# Altium PCB PCB1.PcbDoc (part 1 of 2) (continued)
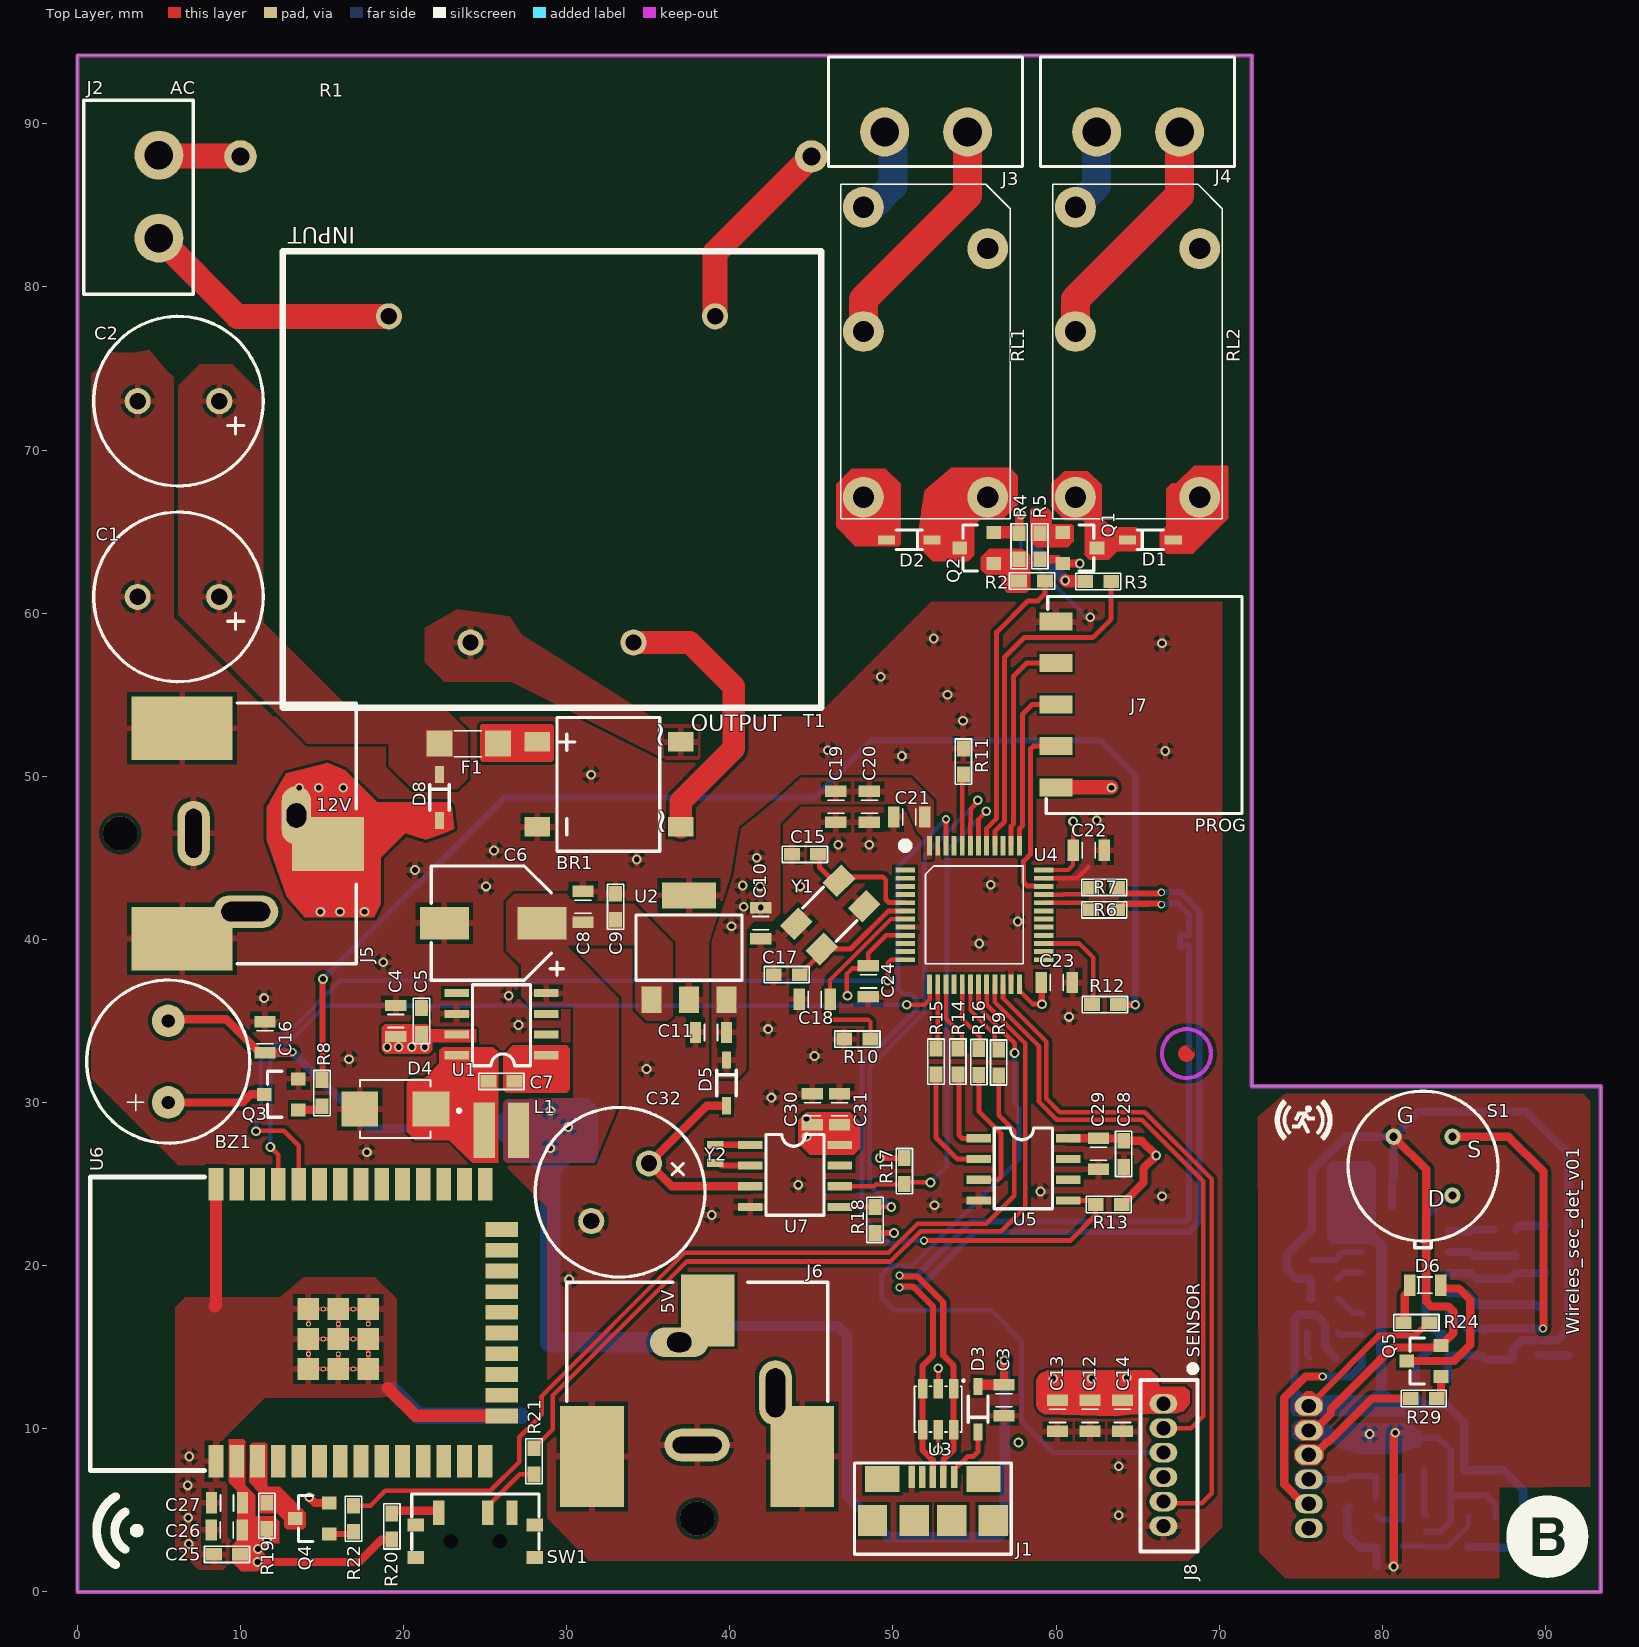
[diagram p0: Top Layer view]
## Part data (continued)
R17 R18: library part "RES 4K7 OHM 0603", "SMD Chip Resistor, 4.7 kOhm, ï¿½ 1%, 100 mW, 0603 [1608 Metric], Thick Film, General Purpose", Case Code (Metric)=1608, Case Code (Imperial)=0603, Manufacturer=Yageo, Max Operating Temperature=155°C, Max Power Dissipation=100mW, Min Operating Temperature=-55°C, Resistance=4.7kR, Resistance Tolerance=1%, Resistor Type="Thick Film", Supplier Part Number 1=5489695, Temperature Coefficient=100ppm/°C, Voltage Rating=50V, Case/Package=0603, Category="Chip SMD Resistors", ComponentLink1Description=https://datasheet.ciiva.com/15189/getdatasheetpartid-422754-15189760.pdf?src-supplier=Verical, ComponentLink1URL=https://datasheet.ciiva.com/15189/getdatasheetpartid-422754-15189760.pdf?src-supplier=Verical, ComponentLink2Description=https://datasheet.ciiva.com/7660/38590-7660794.pdf?src-supplier=Element14, ComponentLink2URL=https://datasheet.ciiva.com/7660/38590-7660794.pdf?src-supplier=Element14, ComponentLink3Description=https://datasheet.ciiva.com/22747/443971-22747528.pdf?src-supplier=Element14, ComponentLink3URL=https://datasheet.ciiva.com/22747/443971-22747528.pdf?src-supplier=Element14, ComponentLink4Description=https://datasheet.ciiva.com/7746/1868787-7746365.pdf?src-supplier=Element14, ComponentLink4URL=https://datasheet.ciiva.com/7746/1868787-7746365.pdf?src-supplier=Element14, ComponentLink5Description=https://datasheet.ciiva.com/7746/1738695-7746366.pdf?src-supplier=Element14, ComponentLink5URL=https://datasheet.ciiva.com/7746/1738695-7746366.pdf?src-supplier=Element14, ComponentLink6Description=https://datasheet.ciiva.com/46440/1868787-46440909.pdf?src-supplier=Element14, ComponentLink6URL=https://datasheet.ciiva.com/46440/1868787-46440909.pdf?src-supplier=Element14, Construction=Rectangular, Depth=0.8mm, Designed by=berkay, Features="Moisture Resistant", Lead Free=5697LeadFree, Lead Pitch=0.3mm, Length=1.6mm, Manufacturer Part Number=RC0603FR-074K7L, Military Standard=Not, Number of Pins=2, Number of Terminations=2, Packaging="Tape and Reel", Power Rating=100mW, Pricing 1="5000=0,0011, 20000=0,001, 75000=0,001, 150000=0,0009, 375000=0,0009 (USD)", Reach SVHC Compliant=Unknown, RoHS=Yes, RoHS Compliant=Yes, Series=RC, Size Code=0603, Stock 1=12255000, Supplier 1="Future Electronics", Termination=SMD/SMT, Tolerance=1%, Voltage Rating (DC)=50V, Width=0.8mm
R23 R34 R36: library part "RES 220K OHM 0603", "SMD Chip Resistor, 220 kOhm, ï¿½ 5%, 100 mW, 0603 [1608 Metric], Thick Film, General Purpose", Case/Package=0603, Manufacturer=Yageo, Resistance=220kR, Supplier Part Number 1=3404332, Voltage Rating (AC)=50V, Category="Chip SMD Resistors", ComponentLink1Description=https://datasheet.ciiva.com/2452/pyu-r-int-thick-7-2452923.pdf?src-supplier=Digikey, ComponentLink1URL=https://datasheet.ciiva.com/2452/pyu-r-int-thick-7-2452923.pdf?src-supplier=Digikey, ComponentLink2Description=https://datasheet.ciiva.com/2452/pyu-r-int-thick-7-2452924.pdf?src-supplier=Digikey, ComponentLink2URL=https://datasheet.ciiva.com/2452/pyu-r-int-thick-7-2452924.pdf?src-supplier=Digikey, ComponentLink3Description=https://datasheet.ciiva.com/2452/pyu-r-int-thick-7-2452925.pdf?src-supplier=Digikey, ComponentLink3URL=https://datasheet.ciiva.com/2452/pyu-r-int-thick-7-2452925.pdf?src-supplier=Digikey, Designed by=berkay, Lead Free=5697LeadFree, Manufacturer Part Number=RC0603JR-07220KL, Pricing 1="5000=0,0008, 50000=0,0008, 200000=0,0007, 625000=0,0007, 2000000=0,0007 (USD)", RoHS=Yes, Stock 1=25000, Supplier 1="Future Electronics"
R25 R28: library part "RES 560k OHM 0603", "SMD Chip Resistor, 560 kOhm, ï¿½ 5%, 100 mW, 0603 [1608 Metric], Thick Film, General Purpose", Case Code (Metric)=1608, Case Code (Imperial)=0603, Manufacturer=Yageo, Max Operating Temperature=155°C, Max Power Dissipation=100mW, Min Operating Temperature=-55°C, Package Quantity=1, Resistance=560kR, Resistance Tolerance=5%, Resistor Type="Thick Film", Supplier Part Number 1=1495647, Temperature Coefficient=100ppm/°C, Voltage Rating=75V, Voltage Rating (AC)=50V, Case/Package=0603, Category="Chip SMD Resistors", ComponentLink1Description=https://datasheet.ciiva.com/2453/pyu-r-int-thick-7-2453056.pdf?src-supplier=Digikey, ComponentLink1URL=https://datasheet.ciiva.com/2453/pyu-r-int-thick-7-2453056.pdf?src-supplier=Digikey, ComponentLink2Description=https://datasheet.ciiva.com/2453/pyu-r-int-thick-7-2453057.pdf?src-supplier=Digikey, ComponentLink2URL=https://datasheet.ciiva.com/2453/pyu-r-int-thick-7-2453057.pdf?src-supplier=Digikey, ComponentLink3Description=https://datasheet.ciiva.com/2453/pyu-r-int-thick-7-2453055.pdf?src-supplier=Digikey, ComponentLink3URL=https://datasheet.ciiva.com/2453/pyu-r-int-thick-7-2453055.pdf?src-supplier=Digikey, Designed by=berkay, Features="Moisture Resistant", Height=0.022inch, Lead Free=5697LeadFree, Length=0.063inch, Manufacturer Part Number=RC0603JR-07560KL, Number of Pins=2, Number of Terminations=2, Packaging="Tape and Reel", Power Rating=100mW, Pricing 1="5000=0,0009, 50000=0,0009, 150000=0,0009, 375000=0,0008, 1000000=0,0008 (USD)", Reach SVHC Compliant=Unknown, RoHS=Yes, RoHS Compliant=Yes, Series=RC, Stock 1=35000, Supplier 1="Future Electronics", Technology="THICK FILM", Termination=SMD/SMT, Tolerance=5%, Voltage Rating (DC)=50V, Weight=7.1E-05oz, Width=0.8mm, Working Voltage=75V
R30 R31: library part "RES 0 OHM 0603", "GENERAL PURPOSE CHIP RESISTOR Metal Glaze/thick Film, 0.1W, 0ohm, Surface Mount, 0603", Case Code (Metric)=1608, Case Code (Imperial)=0603, Manufacturer=Yageo, Max Operating Temperature=155°C, Max Power Dissipation=100mW, Min Operating Temperature=-55°C, Package Quantity=5000, Resistance=0R, Resistance Tolerance=5%, Resistor Type="Thick Film", Supplier Part Number 1=311-0.0GRCT-ND, Temperature Coefficient=200ppm/°C, Tolerance=1%, Voltage Rating=50V, Case/Package=0603, Category="Chip SMD Resistors", Construction=Rectangular, Contact Plating=Tin,Matte, Depth=0.8mm, Designed by=berkay, Features="Moisture Resistant", Height=0.45mm, Lead Free=5697LeadFree, Length=1.6mm, Manufacturer Part Number=RC0603JR-070RL, Military Standard=Not, Number of Pins=2, Number of Terminations=2, Packaging="Tape and Reel", Power Rating=100mW, Pricing 1="1=0,1, 10=0,004, 5000=0,00408, 10000=0,00185, 15000=0,00156, 25000=0,00138, 35000=0,00133 (USD)", Reach SVHC Compliant=Unknown, RoHS=Yes, RoHS Compliant=Yes, Series=RC, Size Code=0603, Stock 1=2054352, Supplier 1=Digikey, Technology="THICK FILM", Termination=SMD/SMT, Voltage Rating (DC)=50V, Width=0.8mm
R32: library part "RES 43K OHM 0603", "SMD Chip Resistor, 43 kOhm, ï¿½ 1%, 100 mW, 0603 [1608 Metric], Thick Film, General Purpose", Manufacturer=Yageo, Resistance=43kR, Supplier Part Number 1=7699101, Voltage Rating (DC)=50V, Category="Chip SMD Resistors", ComponentLink1Description=https://datasheet.ciiva.com/2454/pyu-r-int-thick-7-2454879.pdf?src-supplier=Digikey, ComponentLink1URL=https://datasheet.ciiva.com/2454/pyu-r-int-thick-7-2454879.pdf?src-supplier=Digikey, ComponentLink2Description=https://datasheet.ciiva.com/2454/pyu-r-int-thick-7-2454880.pdf?src-supplier=Digikey, ComponentLink2URL=https://datasheet.ciiva.com/2454/pyu-r-int-thick-7-2454880.pdf?src-supplier=Digikey, ComponentLink3Description=https://datasheet.ciiva.com/2454/pyu-r-int-thick-7-2454881.pdf?src-supplier=Digikey, ComponentLink3URL=https://datasheet.ciiva.com/2454/pyu-r-int-thick-7-2454881.pdf?src-supplier=Digikey, ComponentLink4Description=https://datasheet.ciiva.com/12558/rc0603-272842-12558507.pdf?src-supplier=Mouser, ComponentLink4URL=https://datasheet.ciiva.com/12558/rc0603-272842-12558507.pdf?src-supplier=Mouser, Designed by=berkay, Lead Free=5697LeadFree, Manufacturer Part Number=RC0603FR-0743KL, Pricing 1="5000=0,0011, 25000=0,0011, 125000=0,001, 250000=0,001, 750000=0,001 (USD)", RoHS=Yes, Stock 1=30000, Supplier 1="Future Electronics"
RL1 RL2: "Electromechanical Relay 12VDC 360Ohm 10(NO)/3(NC)A SPDT (( 20mm 10mm 16mm)) THT Power Relay", Manufacturer=Panasonic, Supplier Part Number 1=255-3562-ND, Case/Package=ALQ112, Category="Power Relays", ComponentLink1Description=https://datasheet.ciiva.com/24388/307ds-61b20-en-lq-24388909.pdf?src-supplier=Onlinecomponents.com, ComponentLink1URL=https://datasheet.ciiva.com/24388/307ds-61b20-en-lq-24388909.pdf?src-supplier=Onlinecomponents.com, Designed by=berkay, Manufacturer Part Number=ALQ112, Pricing 1="1=1,45, 10=1,267, 25=1,2004, 50=1,1528, 100=1,1067, 300=1,03757, 500=1,0069, 1000=0,96674, 5000=0,87955 (USD)", RoHS=Yes, Stock 1=9958, Supplier 1=Digikey
RT1: "Thermistor PTC 10K Ohm 1% 2-Pin 1206", Case Code (Imperial)=1206, Manufacturer="Vishay Dale", Max Operating Temperature=125°C, Max Power Dissipation=125mW, Min Operating Temperature=-55°C, Package Quantity=5000, Resistance=10kR, Resistance Tolerance=1%, Supplier Part Number 1=541-3533-1-ND, Voltage=40V, Case/Package=1206, Category="Linear ICs", ComponentLink1Description=https://datasheet.ciiva.com/2852/tfpt-2852076.pdf?src-supplier=Digikey, ComponentLink1URL=https://datasheet.ciiva.com/2852/tfpt-2852076.pdf?src-supplier=Digikey, Designed by=berkay, Height=0.55mm, Lead Free="Lead Free", Length=3.2mm, Manufacturer Part Number=TFPT1206L1002FM, Mount="Surface Mount", Packaging="Tape and Reel", Power Rating=125mW, Pricing 1="1=0,91, 5=0,776, 10=0,727, 25=0,6708, 50=0,6336, 100=0,6003, 500=0,5357, 1000=0,51262 (USD)", RoHS=Yes, RoHS Compliant=Yes, Series=TFPT, Stock 1=6990, Supplier 1=Digikey, Termination=SMD/SMT, Tolerance=1%, Width=1.6mm
S1: "Sensor PIR (Passive Infrared) TO-205AA, TO-5-3 Metal Can", Case/Package="LHI 878", Manufacturer="Excelitas Technology", Max Supply Voltage=12, Min Supply Voltage=2, Supplier Part Number 1=61T6571, Category="Linear ICs", Designed by=berkay, Manufacturer Part Number="LHI 878/3902", Supplier 1=Newark
SW1: "Slide Switch, SPDT, ON-ON, 25 mA, 24V DC, Surf. Mt., RA, Gull Wing", Contact Current Rating=25mA, Manufacturer=E-Switch, Max Operating Temperature=70°C, Min Operating Temperature=-20°C, Operating Force=150gf, Supplier Part Number 1=EG5720CT-ND, Voltage Rating (DC)=24V, Actuator Length=1.4mm, Actuator Type=Standard, Category=LDO, ComponentLink1Description=https://media.digikey.com/pdf/Data%20Sheets/E-Switch%20PDFs/EG1215_Series_Ds.pdf?src-supplier=Digikey, ComponentLink1URL=https://media.digikey.com/pdf/Data%20Sheets/E-Switch%20PDFs/EG1215_Series_Ds.pdf?src-supplier=Digikey, ComponentLink2Description=http://www.farnell.com/datasheets/2645007.pdf?src-supplier=Farnell, ComponentLink2URL=http://www.farnell.com/datasheets/2645007.pdf?src-supplier=Farnell, Contact Material=151ConductorMaterial, Designed by=berkay, Electrical Life=10000Cycles, Manufacturer Part Number=EG1215AA, Mechanical Life=10000Cycles, Mount="Surface Mount", Number of Positions=2NUMBER, Packaging="Cut Tape", Pricing 1="1=1,18, 10=0,963, 25=0,8868, 100=0,7809, 250=0,71708, 500=0,67178, 1000=0,62888 (USD)", RoHS=Yes, RoHS Compliant=Yes, Series=EG, Stock 1=611, Supplier 1=Digikey, Switch Function=On-On, Switch Travel=1.5mm, Termination="Gull Wing", Throw Configuration=SPDT
T1: "230-12 Transformer 1VA", Manufacturer="Zettler Magnetics", Operating Frequency=50-60Hz, Primary Voltage=230V, Rated Power=1VA, Secondary Voltage=12V, Designed by=berkay, Manufacturer Part Number=BV302S12010-ZU, RoHS=No, Supplier 1=Digi-Key
U1: "Buck Switching Regulator IC Positive Fixed 12V 1 Output 1A 8-SOIC (0.154\", 3.90mm Width)", Case/Package="SOIC N", Manufacturer="TI National Semiconductor", Max Operating Temperature=125°C, Max Output Current=1A, Max Input Voltage=40V, Min Operating Temperature=-40°C, Min Input Voltage=8V, Output Voltage=12V, Package Quantity=2500, Quiescent Current=2.5mA, Supplier Part Number 1=296-35410-1-ND, Switching Frequency=260kHz, Category="Voltage Regulators - Switching", ComponentLink1Description=https://datasheet.ciiva.com/41457/001013881-da-01-en-ic-reg-buck-lm2675mx-12-nopb-soic-8-tid-41457896.pdf?src-supplier=Conrad, ComponentLink1URL=https://datasheet.ciiva.com/41457/001013881-da-01-en-ic-reg-buck-lm2675mx-12-nopb-soic-8-tid-41457896.pdf?src-supplier=Conrad, ComponentLink2Description=https://datasheet.ciiva.com/3220/lm2675-3220840.pdf?src-supplier=Avnet, ComponentLink2URL=https://datasheet.ciiva.com/3220/lm2675-3220840.pdf?src-supplier=Avnet, Designed by=berkay, Efficiency=94%, Lead Free="Lead Free", Manufacturer Part Number=LM2675MX-12/NOPB, Mount="Surface Mount", Number of Outputs=1, Number of Pins=8, Operating Supply Voltage=40V, Output Current=1A, Output Type=Fixed, Packaging="Tape and Reel", Pricing 1="1=4,36, 10=3,31, 25=3,046, 100=2,7561, 250=2,61788, 500=2,53454, 1000=2,46595, 2500=2,39355 (USD)", Radiation Hardening=No, RoHS=Yes, RoHS Compliant=Yes, Series=LM2675, Stock 1=2394, Supplier 1=Digikey
U2: "AP7361 Series 3.3 V 1 A Low SMT Dropout Fixed-Mode Regulator - SOT-223", Case/Package=SOT-223, Dropout Voltage=500mV, Manufacturer=Diodes, Max Operating Temperature=85°C, Max Output Current=1A, Max Power Dissipation=1.1W, Max Input Voltage=6V, Min Current Limit=1.1A, Min Operating Temperature=-40°C, Min Input Voltage=2.2V, Output Voltage=3.3V, Package Quantity=1, Power Dissipation=1.1kW, Power Supply Rejection Ratio (PSRR)=65dB, Quiescent Current=70uA, Reference Voltage=800mV, Supplier Part Number 1=AP7361-33E-13DICT-ND, Accuracy=1%, Category="Voltage Regulators - Linear", ComponentLink1Description=https://datasheet.ciiva.com/26926/getdatasheetpartid-670786-26926141.pdf?src-supplier=Verical, ComponentLink1URL=https://datasheet.ciiva.com/26926/getdatasheetpartid-670786-26926141.pdf?src-supplier=Verical, ComponentLink2Description=https://datasheet.ciiva.com/29568/ap7361-29568378.pdf?src-supplier=Digikey, ComponentLink2URL=https://datasheet.ciiva.com/29568/ap7361-29568378.pdf?src-supplier=Digikey, Contact Plating=Tin,Matte, Designed by=berkay, Lead Free="Lead Free", Manufacturer Part Number=AP7361-33E-13, Mount="Surface Mount", Number of Outputs=1, Number of Pins=4, Number of Regulators=1, Output Current=1A, Output Type=Fixed, Packaging="Tape and Reel", Polarity=Positive, Pricing 1="1=0,71, 10=0,426, 25=0,3508, 100=0,2659, 250=0,22428, 500=0,1986, 1000=0,17711 (USD)", Radiation Hardening=No, Reach SVHC Compliant=Yes, RoHS=Yes, RoHS Compliant=Yes, Series=-, Stock 1=107293, Supplier 1=Digikey, Weight=0.000282oz
U3: library part "USB PROTECTION", "ESD Suppressor Diode Array Dual Uni-Dir 15kV Air Gap/15kV Contact Disc 6-Pin SOT-23 T/R", Breakdown Voltage=6V, Capacitance=3.5pF, Case/Package=SOT-23, Clamping Voltage=17V, Leakage Current=150nA, Manufacturer=STMicroelectronics, Max Operating Temperature=125°C, Max Repetitive Reverse Voltage (Vrrm)=5.25V, Min Operating Temperature=-40°C, Operating Supply Voltage=1.1V, Package Quantity=3000, Peak Pulse Current=5A, Power Line Protection=Yes, Supplier Part Number 1=497-5235-1-ND, Test Current=1mA, Working Voltage=5V, Category="TVS Diodes", Clamping Voltage-Max=17V, ComponentLink1Description=https://datasheet.ciiva.com/1268/1690354-1268384.pdf?src-supplier=Element14, ComponentLink1URL=https://datasheet.ciiva.com/1268/1690354-1268384.pdf?src-supplier=Element14, ComponentLink2Description=https://datasheet.ciiva.com/4508/cd00050750-113117-4508433.pdf?src-supplier=Mouser, ComponentLink2URL=https://datasheet.ciiva.com/4508/cd00050750-113117-4508433.pdf?src-supplier=Mouser, ComponentLink3Description=https://datasheet.ciiva.com/15143/getdatasheetpartid-148465-15143789.pdf?src-supplier=Verical, ComponentLink3URL=https://datasheet.ciiva.com/15143/getdatasheetpartid-148465-15143789.pdf?src-supplier=Verical, ComponentLink4Description=https://datasheet.ciiva.com/16200/cd00050750-16200026.pdf?src-supplier=Future+Electronics, ComponentLink4URL=https://datasheet.ciiva.com/16200/cd00050750-16200026.pdf?src-supplier=Future+Electronics, ComponentLink5Description=https://datasheet.ciiva.com/41444/001184109-da-01-en-ic-esd-protecti-usblc6-2sc6-sot-23-6-stm-41444156.pdf?src-supplier=Conrad, ComponentLink5URL=https://datasheet.ciiva.com/41444/001184109-da-01-en-ic-esd-protecti-usblc6-2sc6-sot-23-6-stm-41444156.pdf?src-supplier=Conrad, Data Rate=480Mbps, Depth=1.75mm, Designed by=berkay, Direction=Unidirectional,Bidirectional, ESD Protection=Yes, Height=1.3mm, Lead Free="Lead Free", Length=3.05mm, Manufacturer Part Number=USBLC6-2SC6, Max Breakdown Voltage=6V, Max Reverse Leakage Current=150nA, Min Breakdown Voltage=6V, Mount="Surface Mount", Number of Bidirectional Channels=2, Number of Channels=2, Number of Elements=1, Number of Pins=6, Packaging="Tape and Reel", Polarity=Unidirectional,Bidirectional, Pricing 1="1=0,36, 10=0,243, 100=0,163, 500=0,127, 1000=0,114 (USD)", Radiation Hardening=No, Reach SVHC Compliant=No, Reverse Breakdown Voltage=6V, Reverse Standoff Voltage=5.25V, RoHS=Yes, RoHS Compliant=Yes, Series=USB, Stock 1=60858, Supplier 1=Digikey, Termination=SMD/SMT, Width=1.75mm
U4: "MCU 32-bit STM32F ARM Cortex M3 RISC 32KB Flash 2.5V/3.3V 48-Pin LQFP Tray", Case/Package=LQFP, Manufacturer=STMicroelectronics, Max Frequency=72MHz, Max Operating Temperature=85°C, Max Supply Voltage=3.6V, Min Operating Temperature=-40°C, Min Supply Voltage=2V, Package Quantity=1500, Supplier Part Number 1=497-11515-ND, Category=Microcontrollers, ComponentLink1Description=https://datasheet.ciiva.com/15122/getdatasheetpartid-69879-15122075.pdf?src-supplier=Verical, ComponentLink1URL=https://datasheet.ciiva.com/15122/getdatasheetpartid-69879-15122075.pdf?src-supplier=Verical, ComponentLink2Description=https://datasheet.ciiva.com/14100/pustm-arm-microcont-stm32f103-en-14100507.pdf?src-supplier=Distrelec, ComponentLink2URL=https://datasheet.ciiva.com/14100/pustm-arm-microcont-stm32f103-en-14100507.pdf?src-supplier=Distrelec, Core Architecture=ARM, Data Bus Width=32b, Designed by=Berkay, Height=1.4mm, Lead Free="Lead Free", Length=7mm, Manufacturer Part Number=STM32F103C6T6A, Memory Size=32KB, Memory Type=FLASH, Number of ADC Channels=10, Number of Pins=48, Number of Timers/Counters=3, Number of I/Os=37, Packaging=Tray, Pricing 1="1=5,48, 10=4,191, 25=3,8684, 80=3,5615, 250=3,34396, 500=3,2419, 1000=3,15789, 2500=3,06924 (USD)", Pricing 2="1=6,02, 10=4,74, 25=4,11, 50=4,04, 100=3,96 (USD)", RAM Size=10KB, RoHS=Yes, RoHS Compliant=Yes, Series=STM32F103C6, Stock 1=663, Stock 2=1960, Supplier 1=Digikey, Supplier 2=Avnet, Supplier Part Number 2=72T2643, Weight=0.006409oz, Width=7mm, Interface=I2C,SPI,USART
U5: library part MAX6662MSA+, "Temp Sensor Digital Serial (3-Wire, SPI) 8-Pin SOIC N Tube", Case/Package=SOIC-8, Manufacturer=Maxim, Supplier Part Number 1=MAX6662MSA+-ND, Category="Temperature and Humidity Sensors", ComponentLink1Description=https://datasheet.ciiva.com/5299/max6662-89142-5299456.pdf?src-supplier=Mouser, ComponentLink1URL=https://datasheet.ciiva.com/5299/max6662-89142-5299456.pdf?src-supplier=Mouser, ComponentLink2Description=https://datasheet.ciiva.com/3277/max6662-3277979.pdf?src-supplier=Avnet, ComponentLink2URL=https://datasheet.ciiva.com/3277/max6662-3277979.pdf?src-supplier=Avnet, ComponentLink3Description=https://datasheet.ciiva.com/2003/max6662-2003390.pdf?src-supplier=Digikey, ComponentLink3URL=https://datasheet.ciiva.com/2003/max6662-2003390.pdf?src-supplier=Digikey, Designed by=berkay, Manufacturer Part Number=MAX6662MSA+, Pricing 1="1=4,11, 5=3,576, 10=3,387, 25=3,1672, 50=3,0212, 100=2,8904, 500=2,63676, 1000=2,54588 (USD)", RoHS=Yes, Stock 1=320, Supplier 1=Digikey
U6: "SMD MODULE, ESP32-D0WDQ6, 32MBIT", Case/Package=SMD/SMT, Frequency=2.5GHz, Manufacturer="Espressif Systems", Max Operating Temperature=+85, Min Operating Temperature=-40, Operating Supply Voltage=3.6V, Package Quantity=550, Supplier Part Number 1=1904-1010-1-ND, Supply Voltage-Nom=3V3, Category="RF Receivers, Transceivers", ComponentLink1Description=https://datasheet.ciiva.com/70828/esp32-wroom-32-datasheet-en-70828769.pdf?src-supplier=Digi-Key, ComponentLink1URL=https://datasheet.ciiva.com/70828/esp32-wroom-32-datasheet-en-70828769.pdf?src-supplier=Digi-Key, ComponentLink2Description=https://datasheet.ciiva.com/69725/esp32-datasheet-en-69725253.pdf?src-supplier=Digi-Key, ComponentLink2URL=https://datasheet.ciiva.com/69725/esp32-datasheet-en-69725253.pdf?src-supplier=Digi-Key, Data Rate=150Mbps, Designed by=berkay, Manufacturer Part Number=ESP32-WROOM-32, Mount="Surface Mount", Packaging="Cut Tape", Pricing 1="1=3,80000 (USD)", RoHS=No, Sensitivity=-98dBm, Supplier 1=Digi-Key, Weight=0.088185oz
U7: "M41T00S Series 5.5 V I2C / 2-Wire / Serial SMT Real Time Clock - SOIC-8", Case/Package=SOIC-8, Manufacturer=STMicroelectronics, Supplier Part Number 1=497-6458-1-ND, Category="Real Time Clocks", ComponentLink1Description=https://datasheet.ciiva.com/16219/cd00043079-16219612.pdf?src-supplier=Future+Electronics, ComponentLink1URL=https://datasheet.ciiva.com/16219/cd00043079-16219612.pdf?src-supplier=Future+Electronics, ComponentLink2Description=https://datasheet.ciiva.com/4772/cd00043079-112038-4772343.pdf?src-supplier=Mouser, ComponentLink2URL=https://datasheet.ciiva.com/4772/cd00043079-112038-4772343.pdf?src-supplier=Mouser, Designed by=berkay, Manufacturer Part Number=M41T00SM6F, Pricing 1="1=3,32, 10=2,495, 25=2,288, 100=2,0608, 250=1,9524, 500=1,88706, 1000=1,83327 (USD)", RoHS=Yes, Stock 1=2221, Supplier 1=Digikey
U8: library part NCS36000, "PIR CONTROLLER NCS36000 Series Single 5.75V Passive Infrared Detector Controller (PIR) -SOIC-14", Case/Package=SOIC, Manufacturer="ON Semiconductor", Max Operating Temperature=85°C, Max Supply Voltage=5.75V, Min Operating Temperature=-40°C, Min Supply Voltage=3V, Nominal Supply Current=20uA, Operating Supply Current=50uA, Package Quantity=3000, Supplier Part Number 1=2531200, Category="Amplifiers - Op Amps, Buffer, Instrumentation", ComponentLink1Description=https://datasheet.ciiva.com/4763/ncs36000-d-89569-4763639.pdf?src-supplier=Mouser, ComponentLink1URL=https://datasheet.ciiva.com/4763/ncs36000-d-89569-4763639.pdf?src-supplier=Mouser, ComponentLink2Description=https://datasheet.ciiva.com/2966/ncs36000-d-2966525.pdf?src-supplier=Avnet, ComponentLink2URL=https://datasheet.ciiva.com/2966/ncs36000-d-2966525.pdf?src-supplier=Avnet, Designed by=berkay, Halogen Free="Halogen Free", Height=1.5mm, Lead Free="Lead Free", Length=8.75mm, Manufacturer Part Number=NCS36000DRG, Number of Pins=14, Output Type=Digital, Packaging="Tape and Reel", Pricing 1="1=0,698, 50=0,609, 100=0,468, 250=0,442, 500=0,414, 1000=0,326, 2500=0,29, 5000=0,282 (EUR)", Quiescent Current=20uA, Radiation Hardening=No, Reach SVHC Compliant=No, RoHS=Yes, RoHS Compliant=Yes, Series=-, Supplier 1=Farnell, Width=4mm, Input Type=DIGITAL
U9: "Single, 5.5-V, 3-MHz, low noise (4.6-nV/√Hz), RRIO operational amplifier 5-SOT-23 -40 to 125", Manufacturer="Texas Instruments", Supplier Part Number 1=296-36699-1-ND, Bandwidth=3MHz, Category="Amplifiers - Op Amps, Buffer, Instrumentation", ComponentLink1Description=https://datasheet.ciiva.com/14456/opa2314-14456281.pdf?src-supplier=Avnet, ComponentLink1URL=https://datasheet.ciiva.com/14456/opa2314-14456281.pdf?src-supplier=Avnet, ComponentLink2Description=https://datasheet.ciiva.com/14462/opa2314-14462006.pdf?src-supplier=Avnet, ComponentLink2URL=https://datasheet.ciiva.com/14462/opa2314-14462006.pdf?src-supplier=Avnet, ComponentLink3Description=https://datasheet.ciiva.com/29638/opa314-29638827.pdf?src-supplier=Digikey, ComponentLink3URL=https://datasheet.ciiva.com/29638/opa314-29638827.pdf?src-supplier=Digikey, Designed by=berkay, Height=1.45mm, Lead Free=5697LeadFree, Length=2.9mm, Manufacturer Part Number=OPA314AIDBVR, Pricing 1="1=1,03, 10=0,741, 25=0,6692, 100=0,5899, 250=0,55212, 500=0,52932, 1000=0,51057 (USD)", RoHS=Yes, Stock 1=11097, Supplier 1=Digikey, Thickness=1.2mm, Width=1.6mm
Y1: library part "CRYSTAL 16MHz", "Crystal 16MHz ±30ppm (Tol) ±50ppm (Stability) 20pF FUND 50Ohm 4-Pin Mini-SMD T/R", Frequency=16MHz, Manufacturer="ECS International", Supplier Part Number 1=XC1120CT-ND, Category=Crystals, ComponentLink1Description=https://datasheet.ciiva.com/853/ecx-53b-853408.pdf?src-supplier=Digikey, ComponentLink1URL=https://datasheet.ciiva.com/853/ecx-53b-853408.pdf?src-supplier=Digikey, ComponentLink2Description=https://datasheet.ciiva.com/853/ecx-53b-853407.pdf?src-supplier=Digikey, ComponentLink2URL=https://datasheet.ciiva.com/853/ecx-53b-853407.pdf?src-supplier=Digikey, ComponentLink3Description=https://datasheet.ciiva.com/853/ecx-53b-853406.pdf?src-supplier=Digikey, ComponentLink3URL=https://datasheet.ciiva.com/853/ecx-53b-853406.pdf?src-supplier=Digikey, Designed by=berkay, Manufacturer Part Number=ECS-160-20-30B-TR, Pricing 1="1=0,66, 10=0,58, 50=0,5182, 100=0,4968, 500=0,4504 (USD)", RoHS=Yes, Stock 1=14914, Supplier 1=Digikey
Y2: library part "CRYSTAL 32.768kHz", "Crystal 0.032768MHz ±20ppm (Tol) 12.5pF Flexural 90000Ohm 2-Pin CSMD T/R", Case/Package=CSMD, ESR (Equivalent Series Resistance)=90kR, Frequency=32.768kHz, Frequency Tolerance=20ppm, Load Capacitance=12.5pF, Manufacturer=Abracon, Max Operating Temperature=85°C, Min Operating Temperature=-40°C, Operating Frequency="32.768 kHz", Package Quantity=3000, Supplier Part Number 1=535-11899-2-ND, Category=Crystals, ComponentLink1Description=https://datasheet.ciiva.com/23810/abs05-23810480.pdf?src-supplier=Newark, ComponentLink1URL=https://datasheet.ciiva.com/23810/abs05-23810480.pdf?src-supplier=Newark, ComponentLink2Description=https://datasheet.ciiva.com/6728/abs05-6728949.pdf?src-supplier=Digikey, ComponentLink2URL=https://datasheet.ciiva.com/6728/abs05-6728949.pdf?src-supplier=Digikey, ComponentLink3Description=https://datasheet.ciiva.com/6728/abs05-6728950.pdf?src-supplier=Digikey, ComponentLink3URL=https://datasheet.ciiva.com/6728/abs05-6728950.pdf?src-supplier=Digikey, ComponentLink4Description=https://datasheet.ciiva.com/16411/abs05-16411149.pdf?src-supplier=Future+Electronics, ComponentLink4URL=https://datasheet.ciiva.com/16411/abs05-16411149.pdf?src-supplier=Future+Electronics, Depth=1mm, Designed by=berkay, Height=0.5mm, Lead Free="Lead Free", Length=1.6mm, Manufacturer Part Number=ABS05-32.768KHZ-T, Mount="Surface Mount", Number of Pins=2, Packaging="Tape and Reel", Pricing 1="3000=0,40284, 6000=0,34349, 9000=0,33772, 15000=0,33643, 21000=0,33565 (USD)", Radiation Hardening=No, Reach SVHC Compliant=No, RoHS=Yes, RoHS Compliant=Yes, Series=ABS05, Series Resistance=90kR, Stock 1=96000, Supplier 1=Digikey, Termination=SMD/SMT, Tolerance=20ppm, Width=1mm

## Via types
v1: diameter 0.6, hole 0.35, Top Layer to Bottom Layer, tented both sides, 101 vias
v2: diameter 0.5, hole 0.3, Top Layer to Bottom Layer, tented both sides, 7 vias
v3: diameter 0.45, hole 0.3, Top Layer to Bottom Layer, tented both sides, 2 vias

## Nets (pads, with @x,y where several pads share a name; then routed paths per layer and width w, separated by ;. In a path a pad name is that pad's centre, name@x,y a point inside that pad or via, vN(x,y) a via of type N, cw(c..) or ccw(c..) an arc to the next point about the centre after c; other vN are vias at no path point)
"3V3 DC": C10.2 C11.2 C12.2 C13.2 C14.2 C19.2 C20.2 C21.2 C22.2 C23.2 C24.2 C25.2 C26.2 C27.2 C28.2 C29.2 C30.2 C31.2 D5.A J7.1 J8.1 R13.1 R17.2 R18.2 R19.1 R20.2 U2.3 U3.5 U4.9 U4.24 U4.36 U4.48 U5.8 U6.2 U7.8 | length 40
  Top Layer w0.254: v1(52.765,8.692) 52.77,8.698 52.77,9.94 U3.5@52.775,9.945 ; U4.36@59.25,44.25 60.75,44.25 61.05,44.55 C22.2@61.05,45.466
  Top Layer w0.279: v1(47.214,36.539) 47.183,36.57 47.183,37.881 47.519,38.216 48.338,38.216 C24.2@48.495,38.373 48.495,39.162 49.583,40.25 U4.9@50.75,40.25 ; U4.24@57.75,37.25 57.75,36.868 58.58,36.038 v1@59.122,36.038 ; C22.2@61.05,45.466 v1(61.05,47.23)
  Top Layer w0.381: R18.2@49.103,22 v1(50.065,22) ; v1(49.197,26.596) 49.199,26.598 50.698,26.598 R17.2@50.7,26.6 ; C23.2@59.105,37.363 59.122,37.345 59.122,36.038 v1(59.14,36.02)
  Top Layer w0.508: v1(11.041,1.83) 17.254,1.83 18.632,3.208 R20.2@19.28,3.208 ; U5.8@60.75,27.805 C29.2@62.6,27.805 ; C29.2@62.6,27.8 64.01,27.8 64.15,27.66 C28.2@64.15,27.65 65.25,27.65 v1(66.15,26.75) 65.371,25.971 65.371,25.088 R13.1@64.036,23.753
  Top Layer w0.889: J7.1@60,49.32 v1@63.38,49.32
  other v1: 11.071,2.623 11.62,3.141 59.834,13.083 62.184,13.083 64.334,13.133 44.7,27.9 44.7,29 40.1,40.8 41.9,41.95 40.85,42 41.85,43.25 40.8,43.3 41.65,45 63.4,49.3